# Altium PCB PCB1.PcbDoc (part 1 of 2) (continued)
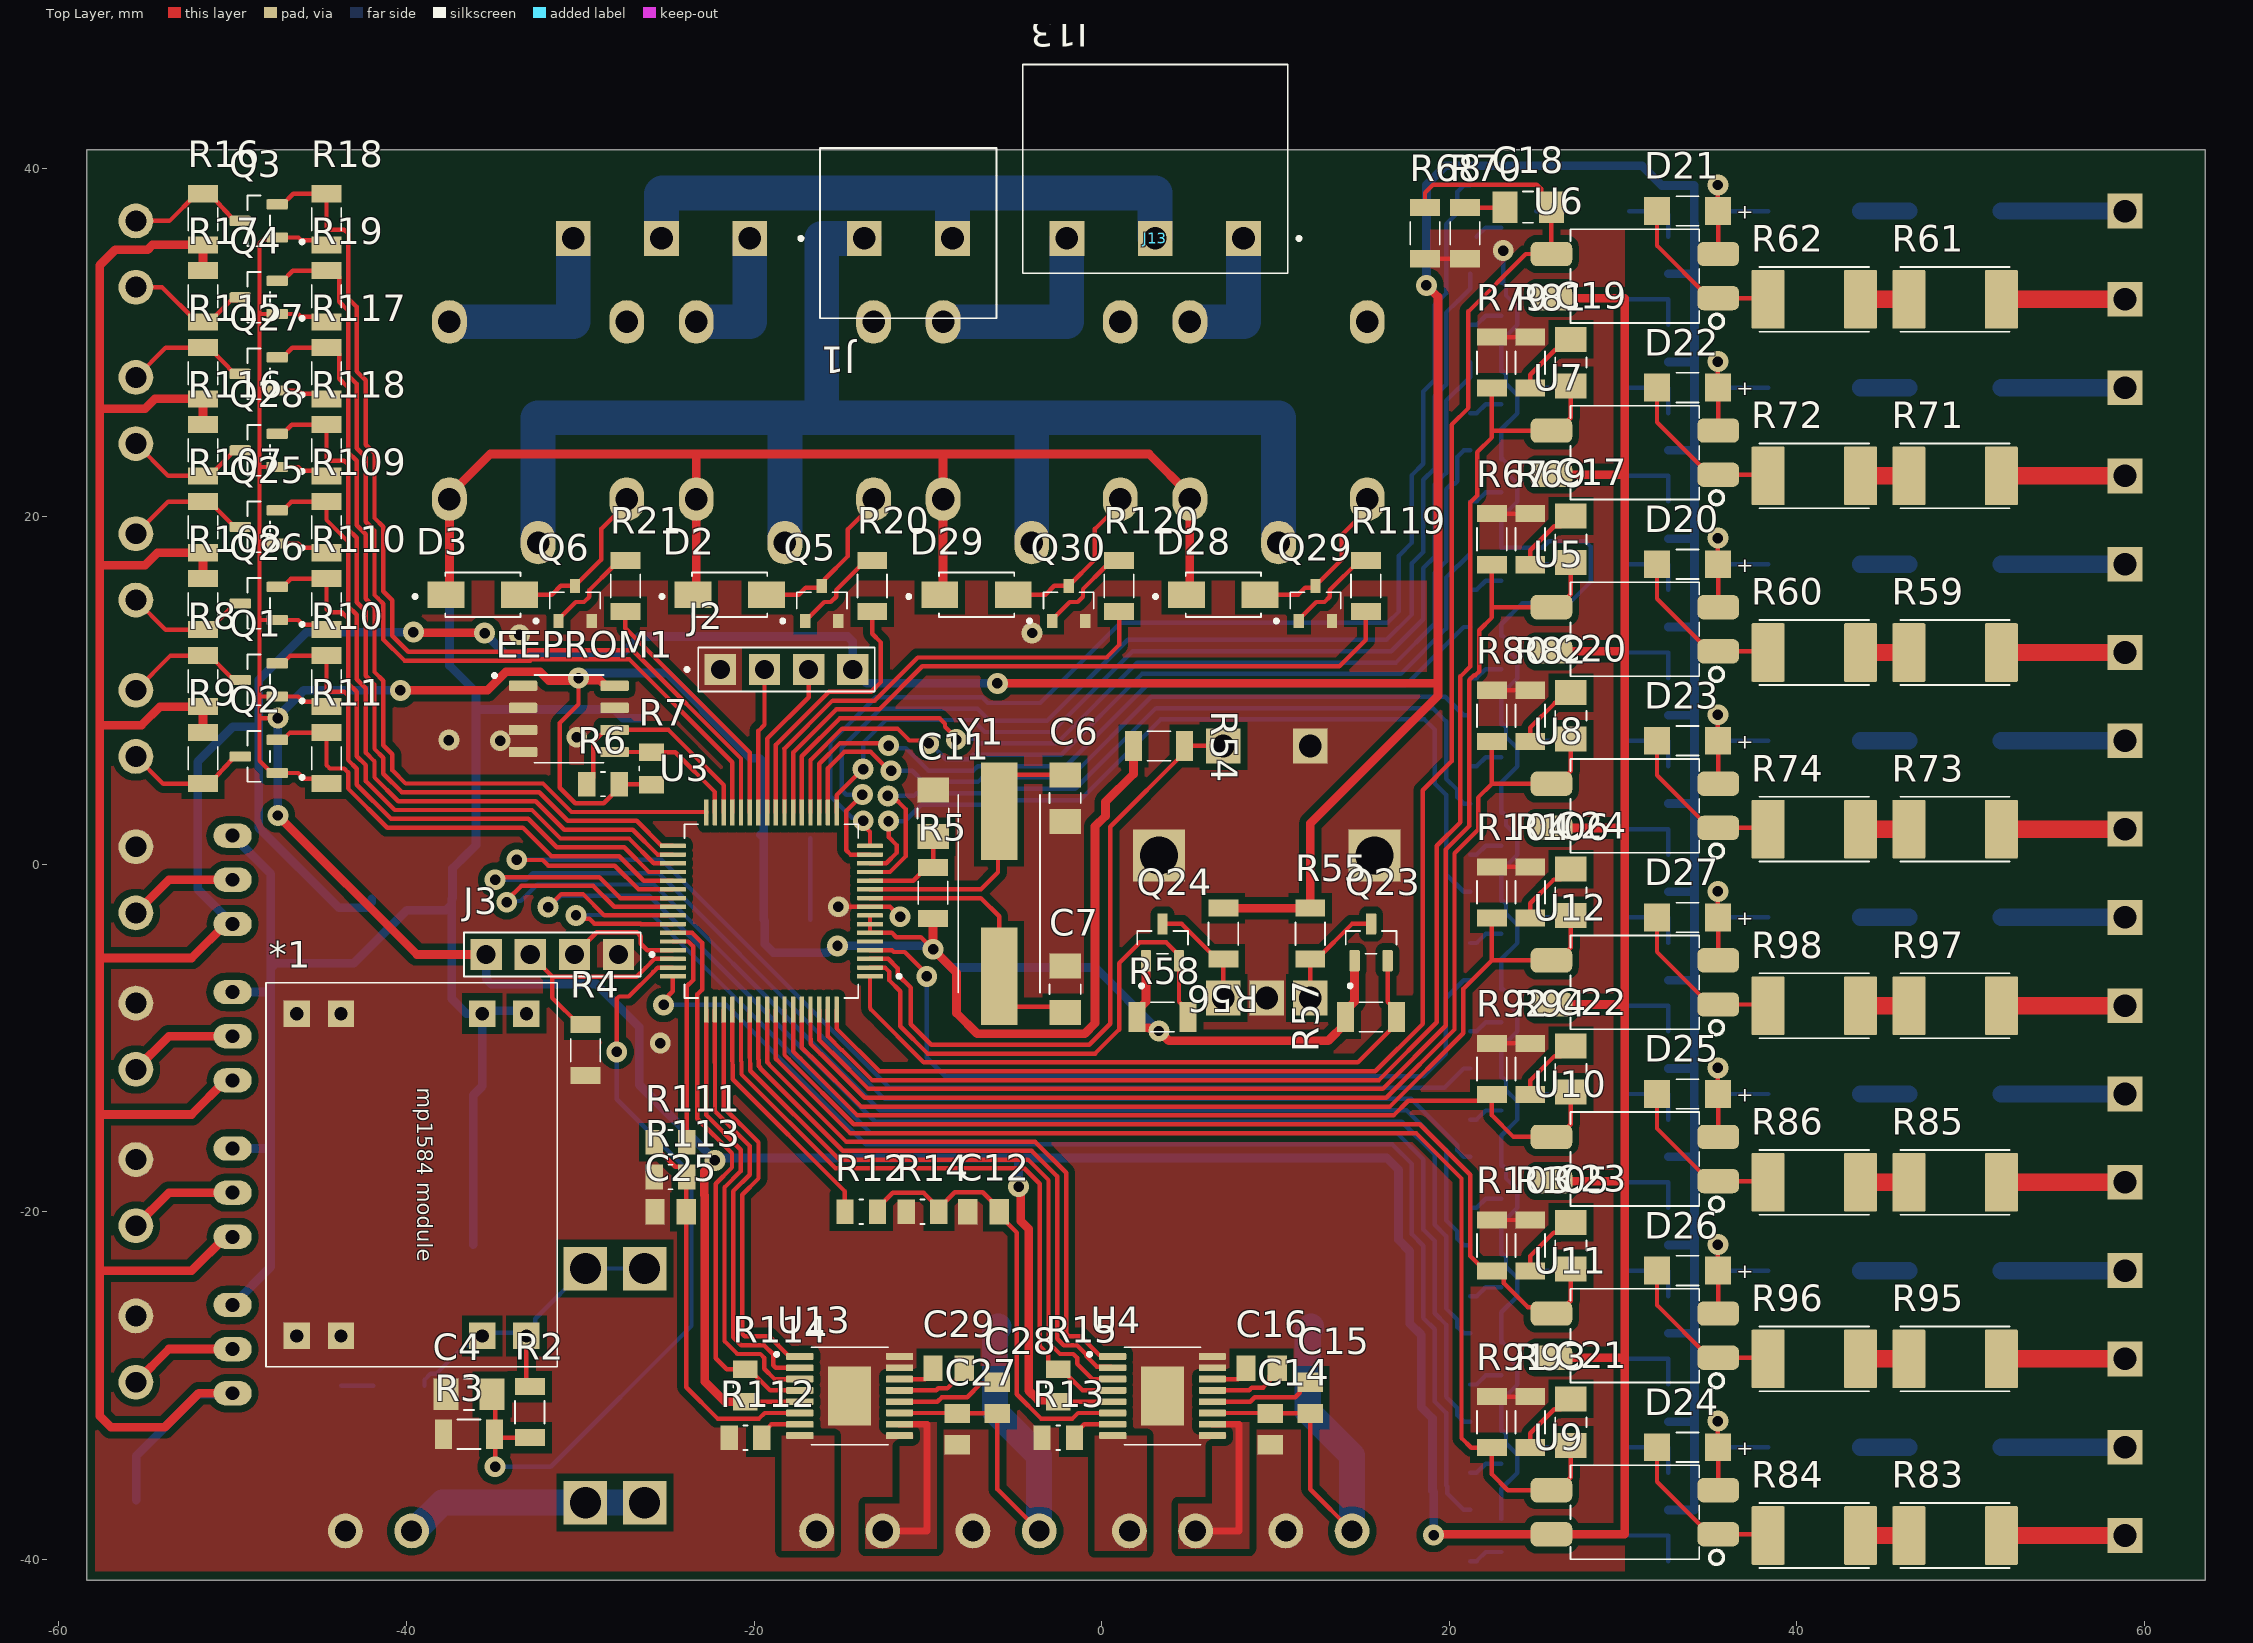
[diagram p0: Top Layer view]
## Components (designator, comment, footprint, x,y, rotation, side; value= is the part's Value field where it differs from the comment) (continued)
R44 "300 ohm-1206" RESC3015X65N 32.6,-33.545 r90 bottom locked
R45 "300 ohm-1206" RESC3015X65N 32.6,-38.625 r90 bottom locked
R46 "4.7k-1206" RESC3015X65N 21.2,-3.065 r90 bottom locked
R47 "4.7k-1206" RESC3015X65N 21.2,-8.145 r90 bottom locked
R48 "4.7k-1206" RESC3015X65N 21.2,-13.225 r90 bottom locked
R49 "4.7k-1206" RESC3015X65N 21.2,-18.305 r90 bottom locked
R50 "4.7k-1206" RESC3015X65N 21.2,-23.385 r90 bottom locked
R51 "4.7k-1206" RESC3015X65N 21.2,-28.465 r90 bottom locked
R52 "4.7k-1206" RESC3015X65N 21.2,-33.545 r90 bottom locked
R53 "4.7k-1206" RESC3015X65N 21.2,-38.625 r90 bottom locked
R54 "4.7k-1206" RESC3015X65N 3.3,6.8 r180 top locked
R55 "4.7k-1206" RESC3015X65N 12,-4 r90 top locked
R56 "4.7k-1206" RESC3015X65N 7,-4 r90 top locked
R57 "4.7k-1206" RESC3015X65N 15.5,-8.8 r0 top
R58 "4.7k-1206" RESC3015X65N 3.5,-8.8 r180 top
R59 "10k-2512" RESC6331X70N 49.1,12.175 r180 top locked
R60 "10k-2512" RESC6331X70N 41,12.175 r180 top locked
R61 "10k-2512" RESC6331X70N 49.1,32.495 r180 top locked
R62 "10k-2512" RESC6331X70N 41,32.495 r180 top locked
R63 "10k-2512" RESC6331X70N 49.1,17.255 r180 bottom locked
R64 "10k-2512" RESC6331X70N 41,17.255 r180 bottom locked
R65 "10k-2512" RESC6331X70N 49.1,37.575 r180 bottom locked
R66 "10k-2512" RESC6331X70N 41,37.575 r180 bottom locked
R67 "300 ohm-1206" RESC3015X65N 22.45,18.695 r270 top locked
R68 "300 ohm-1206" RESC3015X65N 18.6,36.3 r90 top locked
R69 "4.7k-1206" RESC3015X65N 24.656,18.695 r270 top locked
R70 "4.7k-1206" RESC3015X65N 20.9,36.3 r90 top locked
R71 "10k-2512" RESC6331X70N 49.1,22.335 r180 top locked
R72 "10k-2512" RESC6331X70N 41,22.335 r180 top locked
R73 "10k-2512" RESC6331X70N 49.1,2.015 r180 top locked
R74 "10k-2512" RESC6331X70N 41,2.015 r180 top locked
R75 "10k-2512" RESC6331X70N 49.1,27.415 r180 bottom locked
R76 "10k-2512" RESC6331X70N 41,27.415 r180 bottom locked
R77 "10k-2512" RESC6331X70N 49.1,7.095 r180 bottom locked
R78 "10k-2512" RESC6331X70N 41,7.095 r180 bottom locked
R79 "300 ohm-1206" RESC3015X65N 22.45,28.855 r270 top locked
R80 "300 ohm-1206" RESC3015X65N 22.45,8.535 r270 top locked
R81 "4.7k-1206" RESC3015X65N 24.656,28.855 r270 top locked
R82 "4.7k-1206" RESC3015X65N 24.656,8.535 r270 top locked
R83 "10k-2512" RESC6331X70N 49.1,-38.625 r180 top locked
R84 "10k-2512" RESC6331X70N 41,-38.625 r180 top locked
R85 "10k-2512" RESC6331X70N 49.1,-18.305 r180 top locked
R86 "10k-2512" RESC6331X70N 41,-18.305 r180 top locked
R87 "10k-2512" RESC6331X70N 49.1,-33.545 r180 bottom locked
R88 "10k-2512" RESC6331X70N 41,-33.545 r180 bottom locked
R89 "10k-2512" RESC6331X70N 49.1,-13.225 r180 bottom locked
R90 "10k-2512" RESC6331X70N 41,-13.225 r180 bottom locked
R91 "300 ohm-1206" RESC3015X65N 22.45,-32.105 r270 top locked
R92 "300 ohm-1206" RESC3015X65N 22.45,-11.785 r270 top locked
R93 "4.7k-1206" RESC3015X65N 24.656,-32.105 r270 top locked
R94 "4.7k-1206" RESC3015X65N 24.656,-11.785 r270 top locked
R95 "10k-2512" RESC6331X70N 49.1,-28.465 r180 top locked
R96 "10k-2512" RESC6331X70N 41,-28.465 r180 top locked
R97 "10k-2512" RESC6331X70N 49.1,-8.145 r180 top locked
R98 "10k-2512" RESC6331X70N 41,-8.145 r180 top locked
R99 "10k-2512" RESC6331X70N 49.1,-23.385 r180 bottom locked
R100 "10k-2512" RESC6331X70N 41,-23.385 r180 bottom locked
R101 "10k-2512" RESC6331X70N 49.1,-3.065 r180 bottom locked
R102 "10k-2512" RESC6331X70N 41,-3.065 r180 bottom locked
R103 "300 ohm-1206" RESC3015X65N 22.45,-21.945 r270 top locked
R104 "300 ohm-1206" RESC3015X65N 22.45,-1.625 r270 top locked
R105 "4.7k-1206" RESC3015X65N 24.656,-21.945 r270 top locked
R106 "4.7k-1206" RESC3015X65N 24.656,-1.625 r270 top locked
R107 "4.7k-1206" RESC3015X65N -51.7,19.386 r270 top
R108 "4.7k-1206" RESC3015X65N -51.7,14.957 r90 top
R109 "4.7k-1206" RESC3015X65N -44.6,19.386 r270 top
R110 "4.7k-1206" RESC3015X65N -44.6,14.957 r270 top
R111 "0 ohm-0805" RESC2012X65N -24.8,-16 r0 top
R112 "0 ohm-0805" RESC2012X65N -20.5,-33 r180 top locked
R113 "IPROPI1" RESC2012X65N -24.8,-18 r0 top locked
R114 "4.7k -0805" RESC2012X65N -20.5,-30 r270 top locked
R115 "4.7k-1206" RESC3015X65N -51.7,28.243 r270 top
R116 "4.7k-1206" RESC3015X65N -51.7,23.814 r90 top
R117 "4.7k-1206" RESC3015X65N -44.6,28.243 r270 top
R118 "4.7k-1206" RESC3015X65N -44.6,23.814 r270 top
R119 "4.7k-1206" RESC3015X65N 15.2,16 r270 top locked
R120 "4.7k-1206" RESC3015X65N 1,16 r270 top locked
SW1 "RotaryEncoderSwitch" SWROT_11MM 9.5,0 r180 bottom
U1 "LF50" DPAK_3 -39.7,-2 r180 bottom
U2 "AMS1117" DPAK_3 -26.5,6.1 r90 bottom
U3 "STM32G070RBT6" QFP50P1200X1200X160-64N -19,-2.7 r180 top locked
U4 "DRV8874PWPR" SOP65P640X120-17N 3.5,-30.6 r0 top locked
U5 "EL817" DIP_4SMD 30.675,13.515 r180 top locked
U6 "EL817" DIP_4SMD 30.675,33.835 r180 top locked
U7 "EL817" DIP_4SMD 30.675,23.675 r180 top locked
U8 "EL817" DIP_4SMD 30.675,3.355 r180 top locked
U9 "EL817" DIP_4SMD 30.675,-37.285 r180 top locked
U10 "EL817" DIP_4SMD 30.675,-16.965 r180 top locked
U11 "EL817" DIP_4SMD 30.675,-27.125 r180 top locked
U12 "EL817" DIP_4SMD 30.675,-6.805 r180 top locked
U13 "DRV8874PWPR" SOP65P640X120-17N -14.5,-30.6 r0 top locked
Y1 "8MHZ" XTAL_ABLS2-12.000MHZ-D4Y-T -5.9,-1.7 r90 top locked

## Footprints (in the part's own frame and the unit in brackets; to place one, negate y for a bottom-side part, rotate by r counter-clockwise, add the part's x,y. Pads: shape width x height; smd on the part's side, far side on the other; paste and mask are expansions set on the pad)
CAP_EEEFN1H101L [mm]
  rect 4x2 smd: 1(-3.55,0) 2(3.55,0)
  silkscreen extent -4.9,-4.15 4.15,4.15, body extent -4.85,-4.15 4.85,4.15, height 10.2
CAPC2012X145N [mm]
  rect 1.11x1.47 smd: 1(-0.9,0) 2(0.9,0)
  body extent -1,-0.63 1,0.63, height 1.45
CAPC3216X180N [mm]
  rect 1.44x1.82 smd: 1(-1.336,0) 2(1.336,0)
  silkscreen extent -0.29,-0.9 0.29,0.9, body extent -1.6,-0.8 1.6,0.8, height 1.8
DIOM4325X250N [mm]
  rect 2.12x1.5 smd: A(2.115,0) C(-2.115,0)
  silkscreen extent -4,-1.28 2.16,1.28, body extent -2.57,-1.28 2.57,1.28, height 2.5
DIP_4SMD [mm] "DIP4, pitch 2.54mm, 300mil Width SMD"
  rrect50% 2.4x1.4 smd: 1(-4.8,1.27) 2(-4.8,-1.27) 3(4.8,-1.27) 4(4.8,1.27)
  silkscreen extent -5.1,-2.7 3.7,3, body extent -5.23,-2.55 5.23,2.55, height 4.6
DPAK_3 [mm] "D-PAK (TO-252), 3-Pads, Body 6.2x6.7mm"
  oval 1.2x3 smd: 1(-2.3,0) 3(2.3,0)
  rect 6x7 smd paste-5: 4(0,6.8)
  silkscreen extent -3.4,1.63 3.4,8.6, body extent -3.37,-0.5 3.37,9.6, height 2.37
HDRLP_F_1X3 [mm] "Connector Socket, Single-row 1-position, 0.100\" pitch"
  round 1.4 / inner round 1.4 / far side oval 1.4x2.2 hole 0.8: 1(-2.54,0) 2(0,0) 3(2.54,0)
  silkscreen extent -4.6,-1.4 4.1,1.4, body extent -4,-1.27 4,1.27, height 4.19
PCBComponent_1#1 [mil]
  rect 60x60 hole 30: 1(365,160) 1(365,260) 2(365,-260) 2(365,-160) 3(-365,-260) 3(-365,-160) 4(-365,160) 4(-365,260)
  silkscreen extent -435,-330 435,330
PCBComponent_1#2 [mil]
  rect 98.43x98.43 hole 70.87: 1(-265.16,-66.93) 1(-265.16,66.93) 2(265.16,-66.93) 2(265.16,66.93)
  silkscreen extent -390,-132 390,132
PHOENIX_1715721 [mm]
  rect 2x2 hole 1.3 mask-2539.97: 1(2.54,4.6) 2(7.62,4.6)
  silkscreen extent -1.2,0 10.16,9.8
PHOENIX_1759020 [mm]
  rect 2x2 hole 1.3 mask-2539.97: 01(2.54,10) 02(7.62,10) 03(12.7,10)
  silkscreen extent -0.75,0 15.24,12
PHOENIX_1803578 [mm]
  round 2 hole 1.2: 1(-1.905,-0.635) 2(1.905,-0.635)
  silkscreen extent -4.21,-4 4.21,1.66, body extent -4.21,-8.05 4.21,8.05, height 11.1
QFP50P1200X1200X160-64N [mm]
  rrect25% 1.5x0.254 smd mask-2539.97: 1(-5.67,3.75) 2(-5.67,3.25) 3(-5.67,2.75) 4(-5.67,2.25) 5(-5.67,1.75) 6(-5.67,1.25) 7(-5.67,0.75) 8(-5.67,0.25) 9(-5.67,-0.25) 10(-5.67,-0.75) 11(-5.67,-1.25) 12(-5.67,-1.75) 13(-5.67,-2.25) 14(-5.67,-2.75) 15(-5.67,-3.25) 16(-5.67,-3.75) 33(5.67,-3.75) 34(5.67,-3.25) 35(5.67,-2.75) 36(5.67,-2.25) 37(5.67,-1.75) 38(5.67,-1.25) 39(5.67,-0.75) 40(5.67,-0.25) 41(5.67,0.25) 42(5.67,0.75) 43(5.67,1.25) 44(5.67,1.75) 45(5.67,2.25) 46(5.67,2.75) 47(5.67,3.25) 48(5.67,3.75)
  rrect25% 0.254x1.5 smd mask-2539.97: 17(-3.75,-5.67) 18(-3.25,-5.67) 19(-2.75,-5.67) 20(-2.25,-5.67) 21(-1.75,-5.67) 22(-1.25,-5.67) 23(-0.75,-5.67) 24(-0.25,-5.67) 25(0.25,-5.67) 26(0.75,-5.67) 27(1.25,-5.67) 28(1.75,-5.67) 29(2.25,-5.67) 30(2.75,-5.67) 31(3.25,-5.67) 32(3.75,-5.67) 49(3.75,5.67) 50(3.25,5.67) 51(2.75,5.67) 52(2.25,5.67) 53(1.75,5.67) 54(1.25,5.67) 55(0.75,5.67) 56(0.25,5.67) 57(-0.25,5.67) 58(-0.75,5.67) 59(-1.25,5.67) 60(-1.75,5.67) 61(-2.25,5.67) 62(-2.75,5.67) 63(-3.25,5.67) 64(-3.75,5.67)
  silkscreen extent -7.44,-5 5,5, body extent -6,-6 6,6, height 1.6
REL_SPDT_5_1512 [mm] "RELAY, SPDT, 15.40x12.10x14.0mm, G8QN, SUN HOLD RAM"
  oval 2x2.5 hole 1.3: 1(0,2.5) 2(5.1,-10.2) 3(-5.1,-10.2) 4(-5.1,0) 5(5.1,0)
  silkscreen extent -6.1,-11.9 6.1,3.8, body extent -6,-11.8 6,3.7, height 14
RESC2012X65N [mm]
  rect 1x1.42 smd: 1(-0.935,0) 2(0.935,0)
  silkscreen extent -0.12,-0.7 0.12,0.7, body extent -1,-0.63 1,0.63, height 0.65
RESC3015X65N [mm]
  rect 0.98x1.72 smd: 1(-1.47,0) 2(1.47,0)
  silkscreen extent -0.66,-0.85 0.66,0.85, body extent -1.53,-0.77 1.53,0.77, height 0.65
RESC6331X70N [mm]
  rrect7% 1.9x3.37 smd: 1(-2.66,0) 2(2.66,0)
  silkscreen extent -3.15,-1.87 3.15,1.87
SAMTEC_MTSW-104-24-G-S-230 [mm]
  rect 1.8x1.8 hole 1.1 mask-2539.97: 01(3.81,0) 02(1.27,0) 03(-1.27,0) 04(-3.81,0)
  silkscreen extent -5.08,-1.27 5.83,1.27
SOIC127P602X172-8N [mm]
  rrect25% 1.64x0.59 smd: 0(-2.635,1.905) 1(-2.635,0.635) 2(-2.635,-0.635) 3(-2.635,-1.905) 4(2.635,-1.905) 5(2.635,-0.635) 6(2.635,0.635) 7(2.635,1.905)
  silkscreen extent -4.37,-2.52 1.99,2.59, body extent -3.01,-2.44 3.01,2.44, height 1.73
SOP65P640X120-17N [mm]
  rrect25% 1.57x0.39 smd mask-2539.97: 1(-2.87,2.275) 2(-2.87,1.625) 3(-2.87,0.975) 4(-2.87,0.325) 5(-2.87,-0.325) 6(-2.87,-0.975) 7(-2.87,-1.625) 8(-2.87,-2.275) 9(2.87,-2.275) 10(2.87,-1.625) 11(2.87,-0.975) 12(2.87,-0.325) 13(2.87,0.325) 14(2.87,0.975) 15(2.87,1.625) 16(2.87,2.275)
  rect 2.48x3.4 smd paste-3: 17(0,0)
  silkscreen extent -4.3,-2.8 2.2,2.8, body extent -3.2,-2.5 3.2,2.5, height 1.2
SOT95P240X111-3N [mm]
  rrect25% 1.23x0.6 smd: 1(-1.06,0.95) 2(-1.06,-0.95) 3(1.06,0)
  silkscreen extent -2.6,-1.46 0.65,1.46
SWROT_11MM [mm] "Alps Encoder+ sw"
  rect 2x2 hole 1.3 mask-2539.97: 1(-2.5,-7.7) 2(0,-7.7) 3(2.5,-7.7) 4(2.5,6.8) 5(-2.5,6.8)
  rect 3x3 hole 2.2 mask-2539.97: SH1(-6.2,0.5) SH2(6.2,0.5)
  silkscreen extent -6,-6.1 6,7, body extent -6.85,-7.83 6.81,7, height 21.2
TRANS_SS8050-G [mm]
  rect 0.8x0.6 smd: 1(-1.01,0.95) 2(-1.01,-0.95) 3(1.01,0)
  silkscreen extent -1.11,-1.45 0.65,2.35
"WL-SMRW_1206 dome_normal use" [mm] "SMD Mono-color Reverse mount LED, body 3.2x1.2mm"
  rect 1.5x1.6 smd: 1(-1.75,0) 2(1.75,0)
  silkscreen extent -0.65,-0.85 0.65,0.85, body extent -1.6,-0.8 1.6,0.8, height 1.85
XTAL_ABLS2-12.000MHZ-D4Y-T [mm]
  rect 5.6x2.1 smd: 1(-4.75,0) 2(4.75,0)
  silkscreen extent -5.7,-2.35 5.7,2.35, body extent -6.35,-2.35 6.35,2.35, height 3.16

## Part data
*1 "fuse 1": library part Component_1
C1 C2 C3 C5 C13 C26: library part EEEFN1H101L, "CAP ALUM 100UF 20% 50V SMD", Package="RADIAL-2 Panasonic", Check_prices=https://www.snapeda.com/parts/EEEFN1H101L/Panasonic/view-part/?ref=eda, MF=Panasonic, MP=EEEFN1H101L, SnapEDA_Link=https://www.snapeda.com/parts/EEEFN1H101L/Panasonic/view-part/?ref=snap
C4 C6 C7 C8 C9 C10 C11 C17 C18 C19 C20 C21 C22 C23 C24: library part CGA5L3X8R1H105M160AB, "1ÂµF Â±20% 50V Ceramic Capacitor X8R 1206 (3216 Metric)", Package="3216 TDK", Availability="In Stock", Check_prices=https://www.snapeda.com/parts/CGA5L3X8R1H105M160AB/TDK/view-part/?ref=eda, MF=TDK, MP=CGA5L3X8R1H105M160AB, Price=None, Purchase-URL=https://pricing.snapeda.com/search/part/CGA5L3X8R1H105M160AB/?ref=eda, SnapEDA_Link=https://www.snapeda.com/parts/CGA5L3X8R1H105M160AB/TDK/view-part/?ref=snap
C12 C14 C15 C16 C25 C27 C28 C29: library part GRM21BC81C226ME44L, "SMD Capacitor X6S(EIA) with Capacitance: 22uF Tol. 20%. Rated Voltage: 16Vdc", Package="2012 Murata", Check_prices=https://www.snapeda.com/parts/GRM21BC81C226ME44L/Murata/view-part/?ref=eda, MF=Murata, MP=GRM21BC81C226ME44L, SnapEDA_Link=https://www.snapeda.com/parts/GRM21BC81C226ME44L/Murata/view-part/?ref=snap
D1 D4 D5 D6 D7 D8 D9 D10 D11 D12 D13 D14 D15 D16 D17 D18 D19 D20 D21 D22 D23 D24 D25 D26 D27: library part 156120RS82500, "WL-SMRW Mono-color Reverse mount Waterclear, SMT, size 1206 dome, Red, 2V, 20°", Case/Size Code="1206 dome", Emitting Color=Red, Forward Voltage=2V, Manufacturer="Wurth Elektronik", Operating Temperature Max=85°C, Operating Temperature Min=-40°C, Category="Signal LEDs", Chip Technology=AlInGaP, ComponentLink1Description="Website Link", ComponentLink1URL=https://www.we-online.com/redexpert/article/156120RS82500?ad, ComponentLink2Description="Datasheet Link", ComponentLink2URL=https://www.we-online.com/redexpert/spec/156120RS82500?ad, Dominant Wavelength=624nm, Height=1.85mm, Length=3.2mm, Luminous Intensity=1100mcd, Manufacturer Part Number=156120RS82500, Match Code=WL-SMRW, Mount="Surface Mount", Packaging="Tape and Reel", Peak Wavelength=632nm, Viewing Angle=20°, Width=1.6mm
D2 D3 D28 D29: library part SMAJ26A, "400W, 30.4V, 5%, Unidirectional, TVS", Package="SMA-2 Taiwan Semiconductor", Check_prices=https://www.snapeda.com/parts/SMAJ26A/taiwan/view-part/?ref=eda, MF="Taiwan Semiconductor", MP=SMAJ26A, SnapEDA_Link=https://www.snapeda.com/parts/SMAJ26A/taiwan/view-part/?ref=snap
J1 J5 J6 J7 J8 J9 J10 J11 J12: library part 1715721, Package=None, Availability=Unavailable, MP=1715721, Price=None
J2 J3: Package=None, Availability=Unavailable, MP=MTSW-104-24-G-S-230, Price=None
J4 J13: library part 1759020, "Pluggable Header 5.08mm 12AWG 320V 12A 3 Position COMBICON MSTB Series", Package=None, Check_prices=https://www.snapeda.com/parts/1759020/Phoenix+Contact/view-part/?ref=eda, MF="Phoenix Contact", MP=1759020, SnapEDA_Link=https://www.snapeda.com/parts/1759020/Phoenix+Contact/view-part/?ref=snap
JP? JP? JP? JP?: library part HDRLP_F_1X3, "CONN, HEADER, Male, pitch: 2.54mm, 3POS"
K1 K2 K3 K4: library part RELAY_SPDT_5_1512_G8QN, "Relay, SPDT, 5P, 15.4X12.1mm, 16V/30A", MANF=OMRON, MANF_P#="G8QN-1C4 DC12", PARAM="12V, 50mA", PARAM2="16VDC, 30A", Price=PRICE
P1 P2 P3 P4 P5 P6 P7 P8 P9 P10 P11 P12 P13: library part 1803578, "2 Position Terminal Block Plug, Female Sockets 0.150 (3.81mm) 180Â° Free Hanging (In-Line)", Package="Custom Package Phoenix Contact", Availability=Good, Check_prices=https://www.snapeda.com/parts/1803578/Phoenix%20Contact/view-part/46882/?ref=eda, MF="Phoenix Contact", MP=1803578, Price=None, Purchase-URL=https://pricing.snapeda.com/search/part/1803578/?ref=eda, SnapEDA_Link=https://www.snapeda.com/parts/1803578/Phoenix%20Contact/view-part/46882/?ref=snap
Q1 Q2 Q3 Q4 Q23 Q24 Q25 Q26 Q27 Q28: "N-Channel 60V 280mA (Ta) 350mW (Ta) Surface Mount SOT-23-3 (TO-236)", Package=None, Availability=Unavailable, MF="{'manufacturer': u'onsemi'}", MP=2N7002, Price=None
Q5 Q6 Q7 Q8 Q9 Q10 Q11 Q12 Q13 Q14 Q15 Q16 Q17 Q18 Q19 Q20 Q21 Q22 Q29 Q30: library part SS8050-G, "Bipolar (BJT) Transistor NPN 25 V 1.5 A 100MHz 300 mW Surface Mount SOT-23-3", Package=None, Check_prices=https://www.snapeda.com/parts/SS8050G/Comchip/view-part/?ref=eda, Digi-Key_Part_Number=641-1790-2-ND, MF=Comchip, MP=SS8050G, SnapEDA_Link=https://www.snapeda.com/parts/SS8050G/Comchip/view-part/?ref=snap
R1 R2 R3 R4 R5 R8 R9 R10 R11 R16 R17 R18 R19 R20 R21 R22 R23 R24 R25 R26 R27 R28 R29 R30 R31 R32 R33 R34 R35 R36 R37 R38 R39 R40 R41 R42 R43 R44 R45 R46 R47 R48 R49 R50 R51 R52 R53 R54 R55 R56 R57 R58 R67 R68 R69 R70 R79 R80 R81 R82 R91 R92 R93 R94 R103 R104 R105 R106 R107 R108 R109 R110 R115 R116 R117 R118 R119 R120: library part CPF1206B10KE1, "Res Thin Film 1206 10K Ohm 0.1% 1/8W Â±25ppm/Â°C Molded SMD SMD Paper T/R", Package=1206, Power_Rating=".125 W", Resistance=10K, Tolerance=.1%, Voltage_Rating="150 V", Check_prices=https://www.snapeda.com/parts/CPF1206B10KE1/TE+Connectivity/view-part/?ref=eda, EU_RoHS_Compliance=Compliant, MF="TE Connectivity", MP=CPF1206B10KE1, SnapEDA_Link=https://www.snapeda.com/parts/CPF1206B10KE1/TE+Connectivity/view-part/?ref=snap
R6 R7 R12 R13 R14 R15 R111 R112 R113 R114: library part CRGCQ0805J470R, "Fixed Resistor CRGCQ 0805 470R 5%", Package="2012 TE Connectivity", Check_prices=https://www.snapeda.com/parts/CRGCQ0805J470R/TE+Connectivity/view-part/?ref=eda, MF="TE Connectivity", MP=CRGCQ0805J470R, SnapEDA_Link=https://www.snapeda.com/parts/CRGCQ0805J470R/TE+Connectivity/view-part/?ref=snap
R59 R60 R61 R62 R63 R64 R65 R66 R71 R72 R73 R74 R75 R76 R77 R78 R83 R84 R85 R86 R87 R88 R89 R90 R95 R96 R97 R98 R99 R100 R101 R102: library part 5-2176246-2, "18 kOhms Â±5% 1.5W Chip Resistor 2512 (6432 Metric) Pulse Withstanding Thick Film", Package=None, Check_prices=https://www.snapeda.com/parts/5-2176246-2/TE+Connectivity+AMP+Connectors/view-part/?ref=eda, MF="TE Connectivity", MP=5-2176246-2, SnapEDA_Link=https://www.snapeda.com/parts/5-2176246-2/TE+Connectivity+AMP+Connectors/view-part/?ref=snap
SW1: library part SWROT_11MM, "SWITCH, ROTARY Encoder, 11mm Metal Shaft", ASSEMBLY=ASSEMBLY, DESC=DESCRIPTION, MANF=Alpha, MANF_PART#=RE111F-41B3N-15F-20P, PARAM=PARAM, Price=-
U1: library part VREG_LFXX_TO252, "REG, Linear, LDO0.45V, 0.5A, TO-252", MANF=ST, MANF_P#=LF33CDT, PARAM="LDO0.45V, 0.5A,  82dB@120Hz", PARAM2=1.5/1.8/2.5/3.3/5V, Price=1500t
U2: library part VREG_AMS1117_DPACK3
U3: "ARMÂ® CortexÂ®-M0+ STM32G0 Microcontroller IC 32-Bit Single-Core 64MHz 128KB (128K x 8) FLASH 64-LQFP (10x10)", Package="LQFP-64 STMicroelectronics", Check_prices=https://www.snapeda.com/parts/STM32G070RBT6/STMicroelectronics/view-part/?ref=eda, MF=STMicroelectronics, MP=STM32G070RBT6, SnapEDA_Link=https://www.snapeda.com/parts/STM32G070RBT6/STMicroelectronics/view-part/?ref=snap
U4 U13: "40-V, 6-A H-bridge motor driver with integrated current sensing feedback", Package="HTSSOP-16 Texas Instruments", Check_prices=https://www.snapeda.com/parts/DRV8874PWPR/Texas+Instruments/view-part/?ref=eda, MF="Texas Instruments", MP=DRV8874PWPR, SnapEDA_Link=https://www.snapeda.com/parts/DRV8874PWPR/Texas+Instruments/view-part/?ref=snap
U5 U6 U7 U8 U9 U10 U11 U12: library part OPTC_TR4P_EL817_SMD, "OPTOCOUPLER, TRANSISTOR, 4PIN", Package=DIP-4SMD, PARAM=IF=5mA, PARAM2="VCE = 5V", Price=300t@Paya
Y1: library part ABLS2-12.000MHZ-D4Y-T, "HC/49US (AT49) LOW PROFILE SURFACE MOUNT MICROPROCESSOR CRYSTAL", Package="HC49/US Abracon", Availability="In Stock", Check_prices=https://www.snapeda.com/parts/ABLS2-12.000MHZ-D4Y-T/Abracon+LLC/view-part/?ref=eda, MF=Abracon, MP=ABLS2-12.000MHZ-D4Y-T, Price=None, Purchase-URL=https://pricing.snapeda.com/search/part/ABLS2-12.000MHZ-D4Y-T/?ref=eda, SnapEDA_Link=https://www.snapeda.com/parts/ABLS2-12.000MHZ-D4Y-T/Abracon+LLC/view-part/?ref=snap

## Via types
v1: diameter 1.2, hole 0.6, Top Layer to Bottom Layer, tented both sides, 46 vias
v2: diameter 1.2, hole 0.6, Top Layer to Bottom Layer, 3 vias

## Nets (pads, with @x,y where several pads share a name; then routed paths per layer and width w, separated by ;. In a path a pad name is that pad's centre, name@x,y a point inside that pad or via, vN(x,y) a via of type N, cw(c..) or ccw(c..) an arc to the next point about the centre after c; other vN are vias at no path point)
3.3v: C5.1 C8.2 C9.2 C10.2 EEPROM1.7 J3.04 Q1.1 Q2.1 Q3.1 Q4.1 Q23.1 Q24.1 Q25.1 Q26.1 Q27.1 Q28.1 R5.2 R6.2 R7.2 R10.2 R11.2 R15.2 R18.2 R19.2 R54.2 R57.1 R58.2 R109.2 R110.2 R114.2 R117.2 R118.2 U2.4 U3.6 U3.7 U3.8 U4.5 U5.4 U6.4 U7.4 U8.4 U9.4 U10.4 U11.4 U12.4 U13.5 | length 455.8
  Top Layer w0.254: v1(-47.396,8.4) -48.455,8.4 ; R11.2@-44.6,4.63 -44.89,4.92 -45.9,4.92 -46.225,5.245 Q2.1@-47.44,5.245 -47.755,5.245 -48.455,5.945 -48.455,8.4 ; R10.2@-44.6,9.059 -44.89,9.349 -45.927,9.349 -46.225,9.646 Q1.1@-47.44,9.646 -48.455,9.646 ; R110.2@-44.6,13.487 -44.89,13.777 -45.954,13.777 -46.225,14.048 Q26.1@-47.44,14.048 -48.455,14.048 ; R109.2@-44.6,17.916 -44.89,18.206 -45.981,18.206 -46.225,18.449 Q25.1@-47.44,18.449 -48.455,18.449 ; R118.2@-44.6,22.344 -44.89,22.634 -46.009,22.634 -46.225,22.851 Q28.1@-47.44,22.851 -48.455,22.851 ; R117.2@-44.6,26.773 -44.89,27.063 -46.036,27.063 -46.225,27.252 Q27.1@-47.44,27.252 -48.455,27.252 ; R19.2@-44.6,31.201 -44.889,31.49 -46.06,31.49 -46.224,31.654 Q4.1@-47.44,31.654 -48.455,31.654 ; R18.2@-44.6,35.63 -44.875,35.905 -46.06,35.905 -46.21,36.055 Q3.1@-47.44,36.055 -47.54,35.955 -48.221,35.955 -48.455,35.721 -48.455,31.654 ; v1(-30.1,10.7) -30.1,9.2 -31.181,8.119 -31.181,4.397 -30.292,3.508 -28.647,3.508 -27.765,4.39 R6.2@-27.765,4.6 -25.935,4.6 R7.2@-25.9,4.565 ; R114.2@-20.5,-30.935 -20.49,-30.925 U13.5@-17.37,-30.925 ; U3.8@-13.33,-2.95 U3.7@-13.33,-3.45 U3.6@-13.33,-3.95 -12.07,-3.95 -11.82,-4.2 -10.4,-4.2 v1(-9.7,-4.9) ; R15.2@-2.5,-30.935 -2.49,-30.925 U4.5@0.63,-30.925 ; -48.455,8.4 -48.455,9.646 ; -48.455,9.646 -48.455,14.048 ; -48.455,14.048 -48.455,18.449 ; -48.455,18.449 -48.455,22.851 ; -48.455,22.851 -48.455,27.252 ; -48.455,27.252 -48.455,31.654
  Top Layer w0.5: v2(-47.396,2.8) -39.396,-5.2 J3.04@-35.414,-5.2 ; v1(-40.346,10) -35.339,10 -34.278,11.061 -32.307,11.061 -31.813,10.566 -30.234,10.566 v1(-30.1,10.7) ; v1@-30,10.6 -28.886,10.6 EEPROM1.7@-28.593,10.307 ; EEPROM1.7@-28.593,10.307 -28.548,10.262 EEPROM1.7@-28.023,10.262 ; v1@-22.26,-17.043 -22.26,-17.086 -22.861,-17.686 -22.861,-19.036 -22.841,-19.056 -22.841,-29.769 -21.677,-30.933 -20.512,-30.933 R114.2@-20.51,-30.935 ; R5.2@-9.7,-3.122 v1(-9.7,-4.9) -8.351,-6.249 -8.351,-8.562 -7.153,-9.76 -0.981,-9.76 -0.379,-9.158 -0.379,2.173 0.223,2.775 0.223,3.583 1.83,5.19 R54.2@1.83,6.8 ; v1(-4.782,-18.561) -4.656,-18.687 -4.656,-20.532 -4.2,-20.988 -4.2,-30.298 -3.667,-30.831 -2.604,-30.831 R15.2@-2.5,-30.935 ; Q24.1@2.55,-5.56 2.55,-7.91 2.065,-8.395 2.065,-9.205 2.27,-9.41 2.721,-9.41 2.777,-9.466 3.155,-9.466 v1(3.289,-9.6) 3.853,-10.164 13.036,-10.164 14.03,-9.17 14.03,-8.43 14.55,-7.91 Q23.1@14.55,-5.56 ; v1(19.1,-38.6) 19.1,-38.555 U9.4@25.875,-38.555 30.1,-38.555 30.1,-28.395 ; U11.4@25.875,-28.395 30.1,-28.395 ; U10.4@25.875,-18.235 30.1,-18.235 ; U12.4@25.875,-8.075 30.1,-8.075 ; U8.4@25.875,2.085 30.1,2.085 ; U5.4@25.875,12.245 30.1,12.245 ; U7.4@25.875,22.405 30.1,22.405 ; U6.4@25.875,32.565 30.1,32.565 30.1,22.405 ; 30.1,-28.395 30.1,-18.235 ; 30.1,-18.235 30.1,-8.075 ; 30.1,-8.075 30.1,2.085 ; 30.1,2.085 30.1,12.245 ; 30.1,12.245 30.1,22.405
  Bottom Layer w0.5: v1@-47.4,8.4 -47.4,8.5 -45.9,10 v1(-40.346,10) ; v2(-47.396,2.8) v1(-47.396,8.4) ; J3.04@-35.414,-5.2 -35.414,-6.607 -35.121,-6.9 -29.073,-6.9 -26.6,-9.373 -26.6,-12.694 v1(-22.25,-17.043) -22.116,-16.909 -21.621,-16.909 -21.613,-16.901 -4.782,-16.901 ; v1(-30.1,10.7) -29.911,10.7 -29.611,11 -25,11 -22.95,8.95 -22.95,8.85 -20.2,6.1 U2.4@-19.7,6.1 -19.436,5.836 C8.2@-19.436,1.5 C8.2@-19.636,1.7 ; C8.2@-19.436,1.354 C10.2@-19.436,-0.875 C9.2@-19.436,-3.2 -19.387,-3.248 -19.387,-4.589 -18.877,-5.1 -15.789,-5.1 v1@-15.389,-4.7 ; v1(-15.2,-4.7) -10.089,-4.7 -9.889,-4.9 v1(-9.7,-4.9) -8.65,-5.95 C5.1@-5.1,-5.95 -0.361,-5.95 v1(3.289,-9.6) ; v1(-4.782,-18.561) -4.782,-16.901 ; v1(19.1,-38.6) 19.1,-36.109 19.036,-36.045 19.036,-31.89 18.382,-31.236 18.382,-27.081 17.728,-26.427 17.728,-22.272 17.074,-21.618 17.074,-17.574 16.401,-16.901 -4.782,-16.901
5v: C3.1 J2.04 JP?.1 R8.2 R9.2 R16.2 R17.2 R22.2 R23.2 R24.2 R25.2 R26.2 R27.2 R28.2 R29.2 R38.2 R39.2 R40.2 R41.2 R42.2 R43.2 R44.2 R45.2 R55.2 R56.2 R107.2 R108.2 R115.2 R116.2 U1.3 | length 411.2
  Top Layer w0.5: R9.2@-51.7,7.57 R8.2@-51.7,9.059 -54.178,9.059 -55.237,8 -57.65,8 ; R108.2@-51.7,16.427 R107.2@-51.7,17.916 -54.321,17.916 -55.037,17.2 -57.65,17.2 ; R116.2@-51.7,25.284 R115.2@-51.7,26.773 -54.464,26.773 -55.037,26.2 -57.65,26.2 ; R17.2@-51.7,34.141 R16.2@-51.7,35.63 -54.607,35.63 -54.882,35.355 -56.745,35.355 -57.65,34.45 -57.65,26.2 ; JP?.1@-50,-30.44 -51.94,-30.44 -53.9,-32.4 -57,-32.4 -57.65,-31.75 -57.65,-23.4 ; JP?.1@-50,-21.44 -50.4,-21.44 -52.36,-23.4 -57.65,-23.4 ; JP?.1@-50,-12.44 -50.4,-12.44 -52.36,-14.4 -57.65,-14.4 ; JP?.1@-50,-3.44 -50.4,-3.44 -52.36,-5.4 -57.65,-5.4 ; v1(-39.603,13.347) -39.574,13.318 -35.529,13.318 v1(-35.5,13.289) ; v1(-6.001,10.399) -6,10.4 19.354,10.4 ; R56.2@7,-2.53 R55.2@12,-2.53 12,2.339 19.354,9.693 19.354,10.4 ; v1(18.686,33.3) 19.354,32.632 19.354,10.4 ; -57.65,-23.4 -57.65,-14.4 ; -57.65,-14.4 -57.65,-5.4 ; -57.65,-5.4 -57.65,8 ; -57.65,8 -57.65,17.2 ; -57.65,17.2 -57.65,26.2
  Bottom Layer w0.5: C3.1@-55.55,-36.6 -55.55,-34.05 -51.995,-30.495 -50.055,-30.495 JP?.1@-50,-30.44 ; JP?.1@-50,-3.44 -52,-1.44 -52,5.9 -50,7.9 -48.5,7.9 ; U1.3@-42,-2 -42,-2.177 -42.323,-2.5 -43.9,-2.5 -48.5,2.1 -48.5,7.9 ; v1(-39.603,13.347) -45.753,13.347 -48.5,10.6 -48.5,7.9 ; v1(-35.5,13.289) -34.307,12.096 -27.604,12.096 -26.6,13.1 -14.613,13.1 -14.32,12.807 J2.04@-14.32,11.2 -13.519,10.399 v1(-6.001,10.399) ; v1(18.686,33.3) 18.686,39.086 19.785,40.185 31.09,40.185 32.23,39.045 R22.2@32.6,39.045 34.1,39.045 34.1,36.874 34.11,36.864 34.11,33.8 ; R45.2@32.6,-37.155 34.1,-37.155 34.1,-35.784 34.11,-35.774 34.11,-32 ; R44.2@32.6,-32.075 34.11,-32.075 34.11,-32 ; R43.2@32.6,-26.995 34.11,-26.995 ; R42.2@32.6,-21.915 34.11,-21.915 ; R41.2@32.6,-16.835 34.11,-16.835 34.11,-17 ; R40.2@32.6,-11.755 34.1,-11.755 34.1,-11.8 ; R39.2@32.6,-6.675 34.11,-6.675 34.11,-6.9 ; R38.2@32.6,-1.595 34.11,-1.595 34.11,-1.6 ; R29.2@32.6,3.485 34.11,3.485 34.11,3.5 ; R28.2@32.6,8.565 34.11,8.565 34.11,8.5 ; R27.2@32.6,13.645 34.11,13.645 34.11,13.6 ; R26.2@32.6,18.725 34.11,18.725 34.11,18.6 ; R25.2@32.6,23.805 34.11,23.805 34.11,23.7 ; R24.2@32.6,28.885 34.11,28.885 34.11,28.7 ; R23.2@32.6,33.965 34.11,33.965 34.11,33.8 ; 34.1,-11.8 34.1,-10.384 34.11,-10.374 34.11,-6.9 ; 34.1,-11.8 34.1,-13.926 34.11,-13.936 34.11,-17 ; 34.11,-32 34.11,-26.995 ; 34.11,-26.995 34.11,-21.915 ; 34.11,-21.915 34.11,-17 ; 34.11,-6.9 34.11,-1.6 ; 34.11,-1.6 34.11,3.5 ; 34.11,3.5 34.11,8.5 ; 34.11,8.5 34.11,13.6 ; 34.11,13.6 34.11,18.6 ; 34.11,18.6 34.11,23.7 ; 34.11,23.7 34.11,28.7 ; 34.11,28.7 34.11,33.8
12v: *1.4 C1.1 C2.1 D2.C D3.C D28.C D29.C JP?.3 K1.4 K2.4 K3.4 K4.4 U1.1 U2.3 | length 175.6
  Top Layer w0.5: D3.C@-37.715,15.5 -37.525,15.69 K2.4@-37.525,21 -37.525,21.25 -35.175,23.6 -23.325,23.6 ; D2.C@-23.515,15.5 -23.325,15.69 K1.4@-23.325,21 -23.325,23.6 ; D29.C@-9.315,15.5 -9.125,15.69 K4.4@-9.125,21 -9.125,23.6 ; D28.C@4.885,15.5 5.075,15.69 K3.4@5.075,21 5.075,21.25 2.725,23.6 -9.125,23.6 ; -23.325,23.6 -9.125,23.6
  Bottom Layer w0.5: JP?.3@-50,-25.36 -47.8,-23.16 -47.8,-16.5 ; JP?.3@-50,-16.36 -47.94,-16.36 -47.8,-16.5 ; JP?.3@-50,-7.36 -47.94,-7.36 -47.8,-7.5 ; JP?.3@-50,1.64 -47.8,-0.56 -47.8,-5.993 ; K2.4@-37.525,21 -37.525,11.425 -36,9.9 -36,1.081 -36.431,0.65 -36.45,0.65 -37.345,-0.245 -37.345,-1.945 U1.1@-37.4,-2 U1.1@-37.4,-2.327 ; C2.1@-36.15,-21.9 C1.1@-36.15,-13.3 -35.636,-12.786 *1.4@-35.636,-8.602 ; -35.8,8.9 -28.043,8.9 -27.543,8.4 U2.3@-26.5,8.4 ; *1.4@-33.096,-8.602 -33.269,-8.429 -35.463,-8.429 *1.4@-35.636,-8.602 ; -47.8,-16.5 -47.8,-7.5 ; -47.8,-7.5 -47.8,-5.993 ; -47.8,-5.993 -47.507,-5.7 -43.032,-5.7 -39.982,-2.65 -37.723,-2.65 U1.1@-37.4,-2.327 ; U1.1@-37.4,-2.327 -37.4,-7.75 -36.548,-8.602 *1.4@-35.636,-8.602
24v: "fuse 1.2" *1.1 R1.2 R2.2 | length 19.2
  Top Layer w0.254: *1.1@-33.096,-27.144 -33.096,-30.06 R2.2@-32.9,-30.06
  Bottom Layer w0.254: R1.2@-38.96,-30 -38.96,-29.673 -38.597,-29.31 -38.27,-29.31 -36.63,-27.67 -36.162,-27.67 -35.463,-26.971 *1.1@-33.269,-26.971 ; *1.1@-33.096,-27.144 *1.1@-33.269,-26.971 ; -26.3,-23.265 -29.7,-23.265 -32.585,-26.15 -32.585,-26.509 -33.047,-26.971 *1.1@-33.269,-26.971
24v_jack1: C13.1 C14.2 C15.2 P2.2 U4.11 | length 26.2
  Top Layer w0.254: U4.11@6.37,-31.575 9.675,-31.575 C14.2@9.7,-31.6 C15.2@12,-31.6 12,-35.96 P2.2@14.405,-38.365
  Bottom Layer w1.5: C13.1@12.05,-26.6 12.05,-26.657 11.857,-26.85 11.857,-31.487 14.405,-34.035 P2.2@14.405,-38.305
24v_jack2: C26.1 C27.2 C28.2 P8.2 U13.11 | length 26.2
  Top Layer w0.254: U13.11@-11.63,-31.575 -9.419,-31.575 -8.3,-31.583 C28.2@-6,-31.6 -6,-35.96 P8.2@-3.595,-38.365
  Bottom Layer w1.5: C26.1@-5.95,-26.6 -5.95,-26.657 -6.143,-26.85 -6.143,-31.487 -3.595,-34.035 P8.2@-3.595,-38.305
CPH1: C16.2 U4.13 | length 4.4
  Top Layer w0.254: U4.13@6.37,-30.275 6.379,-30.266 8.487,-30.266 8.637,-30.116 9.284,-30.116 9.672,-29.728 9.672,-29.428 C16.2@10.1,-29
CPH2: C29.2 U13.13 | length 4.4
  Top Layer w0.254: U13.13@-11.63,-30.275 -9.522,-30.275 -9.403,-30.156 -8.876,-30.156 -7.9,-29.18 C29.2@-7.9,-29
CPL1: C16.1 U4.14 | length 2.3
  Top Layer w0.254: U4.14@6.37,-29.625 7.855,-29.625 8.3,-29.18 C16.1@8.3,-29
CPL2: C29.1 U13.14 | length 2.3
  Top Layer w0.254: U13.14@-11.63,-29.625 -10.145,-29.625 -9.7,-29.18 C29.1@-9.7,-29
ENC-A: Q23.3 R55.1 SW1.1 | length 6.6
  Top Layer w0.254: SW1.1@12,-7.7 R55.1@12,-5.47 12.37,-5.47 14.4,-3.44 Q23.3@15.5,-3.44
ENC-B: Q24.3 R56.1 SW1.3 | length 6.6
  Top Layer w0.254: Q24.3@3.5,-3.44 4.6,-3.44 6.63,-5.47 R56.1@7,-5.47 SW1.3@7,-7.7
GND: *1.2 *1.3 C1.2 C2.2 C3.2 C4.1 C5.2 C6.1 C7.1 C8.1 C9.1 C10.1 C11.1 C12.1 C13.2 C14.1 C25.1 C26.2 C27.1 D1.1 EEPROM1.0 EEPROM1.1 EEPROM1.2 EEPROM1.3 EEPROM1.6 J2.01 J3.01 P1.1 P2.1 P5.1 P6.1 P8.1 P11.1 P12.1 Q5.2 Q6.2 Q7.2 Q8.2 Q9.2 Q10.2 Q11.2 Q12.2 Q13.2 Q14.2 Q15.2 Q16.2 Q17.2 Q18.2 Q19.2 Q20.2 Q21.2 Q22.2 Q29.2 Q30.2 R3.1 R4.2 R13.2 R14.1 R67.1 R68.1 R69.1 R70.1 R79.1 R80.1 R81.1 R82.1 R91.1 R92.1 R93.1 R94.1 R103.1 R104.1 R105.1 R106.1 R112.2 R113.1 SW1.2 SW1.5 SW1.SH1 SW1.SH2 U1.4 U2.1 U3.9 U4.9 U4.15 U4.16 U4.17 U13.9 U13.15 U13.16 U13.17 | length 119.2
  Top Layer w0.254: v1(-15.15,-2.45) U3.9@-13.33,-2.45 -12.179,-2.45 v1(-11.6,-3.029) ; R68.1@18.6,34.83 R70.1@20.9,34.83 ; R91.1@22.45,-30.635 R93.1@24.656,-30.635 ; R103.1@22.45,-20.475 R105.1@24.656,-20.475 ; R92.1@22.45,-10.315 R94.1@24.656,-10.315 ; R104.1@22.45,-0.155 R106.1@24.656,-0.155 ; R80.1@22.45,10.005 R82.1@24.656,10.005 ; R67.1@22.45,20.165 R69.1@24.656,20.165 ; R79.1@22.45,30.325 R81.1@24.656,30.325
  Bottom Layer w0.254: C9.1@-16.764,-3.2 C10.1@-16.764,-0.875 C8.1@-16.764,1.5 ; Q22.2@22.99,-37.675 22.99,-35.94 23.917,-35.013 23.917,-33.977 23.263,-33.323 23.263,-32.768 23.09,-32.595 Q21.2@22.99,-32.595 22.99,-30.86 23.917,-29.933 23.917,-28.897 23.263,-28.243 23.263,-27.688 23.09,-27.515 Q20.2@22.99,-27.515 22.99,-25.78 23.917,-24.853 23.917,-23.817 23.263,-23.163 23.263,-22.608 23.09,-22.435 Q19.2@22.99,-22.435 22.99,-20.7 23.917,-19.773 23.917,-18.737 23.263,-18.083 23.263,-17.528 23.09,-17.355 Q18.2@22.99,-17.355 22.99,-15.62 23.917,-14.693 23.917,-13.657 23.263,-13.003 23.263,-12.448 23.09,-12.275 Q17.2@22.99,-12.275 22.99,-10.54 23.917,-9.613 23.917,-8.577 23.263,-7.923 23.263,-7.368 23.09,-7.195 Q16.2@22.99,-7.195 22.99,-5.46 23.917,-4.533 23.917,-3.497 23.263,-2.843 23.263,-2.288 23.09,-2.115 Q15.2@22.99,-2.115 22.99,-0.38 23.917,0.547 23.917,1.583 23.263,2.237 23.263,2.792 23.09,2.965 Q14.2@22.99,2.965 22.99,4.7 23.917,5.627 23.917,6.663 23.263,7.317 23.263,7.872 23.09,8.045 Q13.2@22.99,8.045 22.99,9.78 23.917,10.707 23.917,11.743 23.263,12.397 23.263,12.952 23.09,13.125 Q12.2@22.99,13.125 22.99,13.806 24.205,15.021 26.912,15.021 28.127,16.237 28.127,18.273 27.818,18.582 25.729,18.582 25.352,18.205 Q11.2@22.99,18.205 22.99,19.94 23.917,20.867 23.917,21.903 23.263,22.557 23.263,23.112 23.09,23.285 Q10.2@22.99,23.285 22.99,25.02 23.917,25.947 23.917,26.983 23.263,27.637 23.263,28.192 23.09,28.365 Q9.2@22.99,28.365 22.99,30.1 23.917,31.027 23.917,32.063 23.263,32.717 23.263,33.272 23.09,33.445 Q8.2@22.99,33.445 23.1,33.555 v1(23.1,35.3)
  other v1: -34.6,7.1 -30.2,7.3 -33.5,13.2 -4,13.3
  other v2: -25.4,-10.3 -37.559,7.141
JACK-1-ENC-A: P4.2 Q2.3 R9.1 | length 7.3
  Top Layer w0.254: P4.2@-55.565,6.195 -54,4.63 R9.1@-51.7,4.63 -51.33,4.63 -50.048,6.009 -49.875,6.195 Q2.3@-49.56,6.195
JACK-1-ENC-B: P4.1 Q1.3 R8.1 | length 7.4
  Top Layer w0.254: P4.1@-55.565,10.005 -53.571,11.999 R8.1@-51.7,11.999 -51.33,11.999 -50.101,10.769 -49.733,10.769 Q1.3@-49.56,10.596
JACK-2-ENC-A: P10.2 Q26.3 R108.1 | length 7.4
  Top Layer w0.254: P10.2@-55.565,15.195 -53.857,13.487 R108.1@-51.7,13.487 -51.33,13.487 -49.875,14.998 Q26.3@-49.56,14.998